# KiCad board ADC_Test.kicad_pcb (continued)
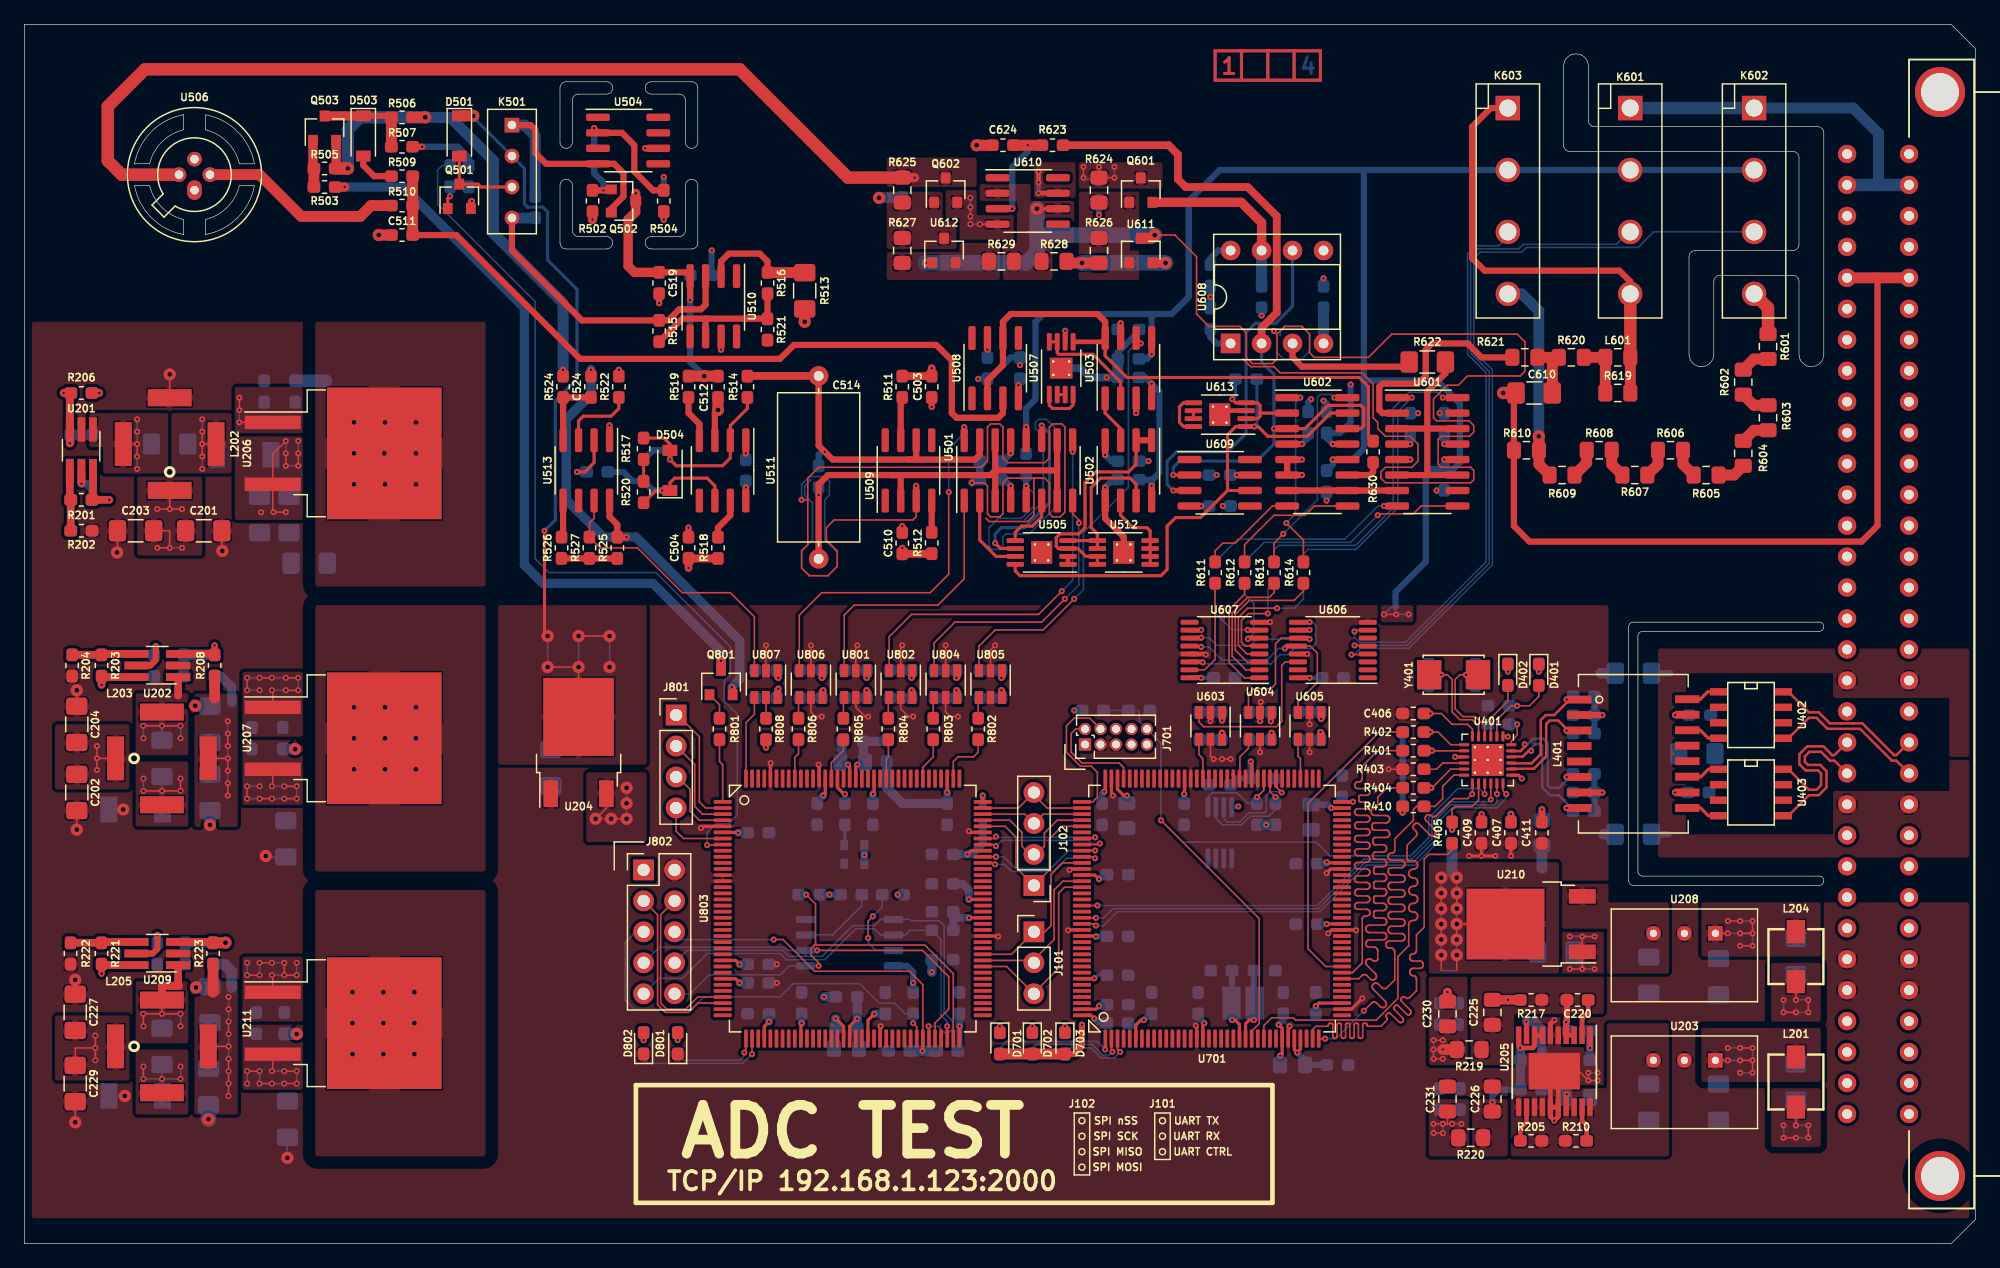
[diagram p0: board, top side]
## Routing (per net, layer and track width the routed paths; a pad name or vN(x,y) marks a point on that pad's centre or on a via; arc(x,y) is an arc through that point) (continued)
/FPGA/100MHZ: length 2.3
  Top w0.254: U803.129 66.67,37.4 67.2,36.88 v1(67.29,36.88)
  Bottom w0.254: v1(67.29,36.88) R811.1
/FPGA/AD_ID: length 1.7
  Top w0.127: R806.2 63.48,44.73 U806.4
/FPGA/AD_IIN: length 1.7
  Top w0.127: U801.4 67.16,44.73 R805.2
/FPGA/AD_IRN: length 1.7
  Top w0.127: R803.2 74.53,44.73 U804.4
/FPGA/AD_IRP: length 1.7
  Top w0.127: 70.91,44.79 70.84,44.73 R804.2
/FPGA/AD_VRH: length 1.7
  Top w0.127: U805.4 78.21,44.73 R802.2
/FPGA/ADC_COMP: length 23.8
  Top w0.127: 46.71,60.94 46.71,59.48 46.33,59.1 R527.2 47.21,57.07 50.27,57.07 53.95,53.39 57.89,53.39 59.86,51.42 U807.3
/FPGA/COMP: length 6.9
  Top w0.127: U807.4 59.86,43.42 59.17,42.73 U803.144
/FPGA/FGPA_AD_VRH: length 35.5
  Top w0.127: v1(91.54,73.83) 91.54,73.89 91.16,74.28 ; v1(86.08,52.88) 83.54,50.34 79.61,50.34 78.28,49.01 U805.3
  Bottom w0.127: v1(86.08,52.88) 86.84,53.64 86.84,58.33 90.53,62.02 90.53,73.17 91.19,73.83 v1(91.54,73.83)
/FPGA/FPGA_IO1: length 11.3
  Top w0.127: U701.117 86.74,32.24 v1(87.8,32.24) ; U803.99 79.66,31.73 v1(79.67,31.73)
  Bottom w0.127: v1(79.67,31.73) 80.3,31.73 81.26,30.78 84.18,30.78 85.64,32.24 v1(87.8,32.24)
/FPGA/FPGA_IO2: length 11.1
  Top w0.127: v1(79.59,31.11) 79.47,31.23 U803.98 ; U701.118 87.68,31.73 v1(87.8,31.61)
  Bottom w0.127: v1(79.59,31.11) 80.36,31.11 80.94,30.53 84.37,30.53 85.45,31.61 v1(87.8,31.61)
/FPGA/FPGA_IO3: length 10.4
  Top w0.127: v1(79.67,33.38) 79.51,33.23 U803.102 ; U701.115 87.71,33.23 v1(87.8,33.32)
  Bottom w0.127: v1(79.67,33.38) 79.73,33.32 v1(87.8,33.32)
/FPGA/FPGA_IO4: length 11.4
  Top w0.127: v1(79.67,32.6) 79.54,32.73 U803.101 ; v1(88.18,32.81) 88.09,32.73 U701.116
  Bottom w0.127: v1(79.67,32.6) 80.13,33.07 87.29,33.07 87.54,32.81 v1(88.18,32.81)
/FPGA/FPGA_SPI3_MISO: length 11.8
  Top w0.127: U701.112 84.7,34.73 83.64,33.67 83.64,32.59 82.97,31.92 J102.2 82.46,31.92 81.8,32.59 81.8,33.73 80.8,34.73 U803.105
/FPGA/FPGA_SPI3_MOSI: length 15.1
  Top w0.127: U803.104 80.41,34.23 81.32,33.32 81.32,30.84 J102.1 84.05,30.65 84.05,33.19 85.09,34.23 U701.113
/FPGA/FPGA_SPI3_NSS: length 9.3
  Top w0.127: U803.107 81.51,35.73 J102.4 82.78,36.81 83.87,35.73 U701.110
/FPGA/FPGA_SPI3_SCK: length 8.8
  Top w0.127: U701.111 83.55,35.23 J102.3 82.02,35.23 U803.106
/FPGA/FPGA_UART2_CTRL_TTL: length 16.3
  Top w0.127: U701.123 85.29,29.23 84.81,28.75 84.81,22.59 82.78,20.56 J101.3 80.55,22.73 U803.81
/FPGA/FPGA_UART2_RX_TTL: length 13.5
  Top w0.127: U701.122 85.16,29.73 84.43,29 84.43,24.94 82.78,23.29 J101.2 82.59,23.23 U803.82
/FPGA/FPGA_UART2_TX_TTL: length 13.7
  Top w0.127: U701.119 85.13,31.23 84.18,30.27 84.18,26.08 83.67,25.57 J101.1 80.94,23.73 U803.83
/FPGA/iCE_CDONE: length 34.6
  Top w0.127: v1(72.88,18.08) 73.17,17.78 U803.65
  Bottom w0.127: R817.2 72.23,18.86 71.35,19.73 70.09,19.73 68.5,21.32 63.04,21.32 61.95,20.24 55.73,20.24 54.71,19.22 50.02,19.22 49.25,19.98 49.25,24.68 50.14,25.57 50.78,25.57
  Bottom w0.254: R817.2 v1(72.88,18.08)
/FPGA/iCE_CRESET: length 29.8
  Top w0.127: v1(73.64,15.79) 73.67,15.83 U803.66 73.67,21.24 72.57,22.34 64.81,22.34 62.21,24.94 v1(61.44,24.94)
  Bottom w0.127: v1(61.44,24.94) 53.95,24.94 53.32,25.57
  Bottom w0.889: R815.1 R812.1
/FPGA/iCE_MISO: length 36.3
  Top w0.127: U803.67 74.17,17.8 v1(74.15,17.83)
  Bottom w0.127: J802.8 54.33,24.05 62.21,24.05 62.7,23.56 65.4,23.56 67.92,26.08 69.7,26.08 70.21,26.59 U809.5 72.62,26.59 72.75,26.46 75.03,26.46 75.41,26.08 75.41,18.95 76.11,18.25 76.11,17.61 75.81,17.32 75.41,17.32 74.91,17.83 v1(74.15,17.83)
/FPGA/iCE_MOSI: length 32.1
  Top w0.127: U803.68 74.67,18.1 75.8,19.22 75.8,21.89 73.64,24.05 v1(65,24.05)
  Bottom w0.127: J802.7 52.05,24.3 62.33,24.3 62.59,24.05 U809.2 v1(65,24.05)
/FPGA/iCE_Rx_TTL: length 14.9
  Top w0.127: U803.34 55.22,19.73 54.46,18.97 52.56,18.97 51.92,19.6 51.92,26.97 J802.3
/FPGA/iCE_SCK: length 36
  Top w0.127: v1(75.67,17.83) 75.67,17.82 U803.70
  Bottom w0.127: 50.78,20.49 52.05,21.76 53.96,21.76 55.99,23.8 61.95,23.8 62.46,23.29 65.64,23.29 68.18,25.83 69.7,25.83 70.21,25.32 U809.6 72.24,25.32 72.62,25.7 R818.2 74.65,25.46 74.65,25.45 75.16,24.94 75.16,18.72 75.67,18.21 v1(75.67,17.83)
/FPGA/iCE_SS_B: length 37.7
  Top w0.127: 64.74,24.44 64.49,24.19 64.49,23.67 65.13,23.03 v1(65.13,22.78) ; 64.74,24.44 64.79,24.49 73.83,24.49 76.17,22.15 U803.71 ; 64.74,24.44 64.87,24.57 64.87,27.86 v1(64.11,28.62)
  Bottom w0.127: v1(65.13,22.78) U809.1 62.72,22.78 61.98,22.05 56.14,22.05 54.59,20.49 53.32,20.49 ; R819.2 v1(64.11,28.62)
/FPGA/iCE_Tx_TTL: length 14.6
  Top w0.127: U803.33 55.21,20.23 54.21,19.22 52.68,19.22 52.17,19.73 52.17,26.97 J802.4
/Input/K1_CTR: length 54.7
  Top w0.127: U606.5 110.1,49.07 v1(109.07,49.07)
  Bottom w0.127: 131.68,82.98 131.55,82.98 130.53,81.96 122.91,81.96 122.53,81.58 119.1,81.58 118.6,81.07 118.6,73.05 120.12,71.53 120.12,55.8 113.39,49.07 v1(109.07,49.07)
/Input/K2_CTR: length 65.6
  Top w0.127: U606.4 110.1,48.31 v1(108.82,48.31)
  Bottom w0.127: 141.84,82.98 133.58,82.98 132.31,81.71 123.17,81.71 122.79,81.33 119.36,81.33 118.85,80.82 118.85,73.2 120.37,71.67 120.37,55.69 120.37,55.67 113.51,48.81 109.58,48.81 109.07,48.31 v1(108.82,48.31)
/Input/K4_CTR: length 45.5
  Top w0.127: v1(109.07,50.21) 109.17,50.31 U606.7
  Bottom w0.127: v1(109.07,50.21) 109.07,49.7 109.45,49.32 113.26,49.32 119.87,55.93 119.87,71.42 118.34,72.94 118.34,81.2 118.98,81.83 120.88,81.83 121.64,82.6 121.64,82.98
/Input/M1_1: length 20.7
  Top w0.127: v1(113.77,69.39) U601.1
  Bottom w0.127: R615.1 104.88,56.56 105.26,56.94 109.2,56.94 112.63,60.37 112.63,68.25 v1(113.77,69.39)
/Input/M1_2: length 26.3
  Top w0.127: v1(116.31,69.39) U601.16
  Bottom w0.127: v1(116.31,69.39) 115.87,69.83 113.56,69.83 112.25,68.52 112.25,60.35 109.16,57.26 102.85,57.26 102.47,56.88 R616.1
/Input/M1_3: length 19.4
  Top w0.127: U601.9 114.53,60.5 113.9,59.86 111.1,59.86 v1(110.97,59.74)
  Bottom w0.127: v1(110.97,59.74) 108.76,57.52 101.66,57.52 R617.1
/Input/M1_4: length 16.8
  Top w0.127: U601.8 v1(111.48,60.5)
  Bottom w0.127: R618.1 99.5,57.77 108.26,57.77 110.99,60.5 v1(111.48,60.5)
/Input/M2_1: length 15.6
  Top w0.127: v1(104.62,69.39) U602.1 ; R614.1 104.88,57.7 v1(103.48,59.1)
  Bottom w0.127: v1(103.48,59.1) 104.24,59.86 104.24,69.01 v1(104.62,69.39)
/Input/M2_2: length 17.6
  Top w0.127: v1(103.23,58.21) 102.47,57.45 R613.1 ; v1(107.42,69.39) U602.16
  Bottom w0.127: v1(107.42,69.39) 107.16,69.64 106.28,69.64 106.02,69.39 106.02,61.01 v1(103.23,58.21)
/Input/M2_3: length 11.2
  Top w0.127: R612.1 100.05,57.32 102.47,59.74 105.01,59.74 105.77,60.5 U602.9
/Input/M2_4: length 8.3
  Top w0.127: U602.8 102.34,60.5 99.29,57.45 98.28,57.45 97.64,56.81 R611.1
/Input/SR_CLK: length 3.5
  Top w0.127: U701.86 99.67,38.18 99.67,39.92 100.37,40.62 100.37,41.36
/Input/SR_DAT: length 3.4
  Top w0.127: U603.4 96.31,40.11 96.64,39.78 U701.92
/Input/SR_LAT: length 3.3
  Top w0.127: U605.4 104.44,39.98 104.64,39.79 U701.76
/MCU/EEPROM_SCL: length 9.3
  Top w0.127: U701.81 102.14,37.08 v1(102.59,36.62)
  Bottom w0.127: R702.2 102.59,35.6 102.06,35.07 100.53,35.07 99.8,34.34 98.25,34.34 97.7,34.89 U702.6
  Bottom w0.508: R702.2 v1(102.59,36.62)
/MCU/EEPROM_SDA: length 7.6
  Top w0.127: U701.82 101.64,37.19 v1(101.07,36.62)
  Bottom w0.127: R701.2 100.32,36.1 99.45,36.97 97.39,36.97 97.05,36.63 U702.5
  Bottom w0.508: R701.2 v1(101.07,36.62)
/MCU/EEPROM_WP: length 8.9
  Top w0.127: v1(103.1,37) 102.64,37.47 U701.80
  Bottom w0.127: U702.7 98.35,34.9 98.66,34.59 99.67,34.59 100.4,35.32 101.67,35.32 101.83,35.48 101.83,36.75 102.15,37.07 102.8,37.07 102.86,37 v1(103.1,37)
/MCU/MCU_VDDA: length 5.6
  Top w0.254: U701.32 104.14,15.9 v1(104.37,15.67) 104.64,15.93 U701.33
  Bottom w0.508: C720.1 FB701.1 105.01,15.02 v1(104.37,15.67)
/MCU/TCK_SWCLK: length 12.3
  Top w0.127: J701.4 87.35,43.1 86.08,43.1 85.45,42.46 85.45,40.31 86.59,39.16 87.48,39.16 87.99,38.65 87.99,36.62 87.59,36.23 U701.109
/MCU/TMS_SWDIO: length 8.6
  Top w0.127: J701.2 86.21,42.21 85.83,41.83 85.83,40.31 86.72,39.42 89.77,39.42 90.14,39.05 U701.105
Earth: length 3
  Bottom w0.508: C413.1 134.85,33.57 ; R419.1 134.98,46.78
Net-(C206-Pad1): length 8.1
  Top w0.127: v1(141.71,16.05) v1(140.69,16.05) ; U203.1 v1(139.68,15.03) ; v1(140.69,15.03) v1(141.71,15.03) v1(141.71,14.02)
  Bottom w0.127: v1(140.69,16.05) v1(139.68,16.05) ; v1(141.71,15.03) v1(141.71,16.05) ; v1(139.68,15.03) v1(140.69,15.03) ; v1(141.71,14.02) v1(140.69,14.02)
Net-(C207-Pad1): length 2.9
  Top w0.635: U201.5 v1(4.68,62.34)
  Bottom w0.635: C207.1 5.55,61.85 5.06,62.34 v1(4.68,62.34)
Net-(C208-Pad1): length 3.7
  Top w0.508: U202.5 10.33,47.42 10.77,47.86 v1(10.77,49)
  Bottom w0.508: v1(10.77,49) 10.77,48.41 C208.1
Net-(C209-Pad1): length 5.2
  Top w0.127: v1(14.58,65.58) v1(14.58,64.56) ; v1(14.58,65.58) v1(14.58,66.59) ; v1(14.58,65.58) L202.2
  Bottom w0.127: v1(14.58,64.56) v1(14.58,63.55) ; v1(14.58,66.59) v1(14.58,67.61)
Net-(C209-Pad2): length 5.2
  Top w0.127: v1(9.25,64.56) v1(9.25,65.58) L202.4
  Bottom w0.127: v1(9.25,67.61) v1(9.25,66.59) v1(9.25,65.58) ; v1(9.25,64.56) v1(9.25,63.55)
Net-(C210-Pad1): length 6.3
  Top w0.127: v3(9.76,37.13) v3(11.28,37.13) v3(12.8,37.13) v3(12.8,38.15)
  Bottom w0.127: C210.1 v3(11.28,37.13) ; v3(9.76,37.13) v3(9.76,38.15)
Net-(C210-Pad2): length 7.8
  Top w0.127: v3(12.8,42.46) v3(11.28,42.46) v3(9.76,42.46)
  Top w0.635: U202.1 12.61,44.94
  Bottom w0.127: C210.2 v3(11.28,42.46) ; v3(9.76,42.46) v3(9.76,41.45) ; v3(12.8,42.46) v3(12.8,41.45)
Net-(C211-Pad1): length 8.6
  Top w0.127: v2(48.11,34.84) v2(49.38,34.84) ; v2(46.84,34.84) 47.72,35.73 U204.3
  Top w0.381: U205.17 126.43,12.2 v1(126.47,12.24)
  Bottom w0.127: v2(49.38,34.84) v2(49.38,36.11) v2(49.38,37.38) ; v2(46.84,34.84) v2(48.11,34.84)
Net-(C214-Pad1): length 36.4
  Top w0.127: v1(21.44,59.99) v1(20.42,59.99) 20.36,60.05 U206.3 20.36,64.76 v1(21.44,65.83) ; v1(21.44,64.82) v1(21.44,63.8) ; v1(22.46,63.8) v1(22.46,64.82)
  Top w0.635: v1(6.14,69.77) R206.1
  Power w1.016: v1(20.42,59.99) v1(19.41,59.99) 17.12,59.99 15.98,61.13 15.98,68.75 14.96,69.77 v1(6.14,69.77)
  Bottom w0.127: v1(21.44,65.83) v1(21.44,64.82) ; v1(21.44,63.8) v1(22.46,63.8) ; v1(22.46,64.82) v1(22.46,65.83)
  Bottom w0.635: R206.1 v1(6.14,69.77)
Net-(C214-Pad2): length 6.1
  Top w0.635: v1(3.73,65.64) 3.73,65.64 U201.3 3.73,69.69 R206.2 v1(3.22,69.77)
  Bottom w0.635: R207.1 3.8,65.71 v1(3.73,65.64) ; v1(3.22,69.77) R206.2
Net-(C215-Pad1): length 12.6
  Top w0.127: L203.3 v1(16.68,39.8) v1(16.68,38.78) ; v1(16.68,40.81) v1(16.68,41.83) ; v1(16.68,37.77) v1(16.68,36.75) ; U207.2 v2(29.57,41.45)
  Top w0.889: R208.1 15.6,44.75
  Bottom w0.127: v1(16.68,38.78) v1(16.68,37.77) ; v1(16.68,39.8) v1(16.68,40.81) ; v1(16.68,41.83) v1(16.68,42.84)
  Bottom w0.762: 17,44.37 17,45.64 16.09,46.54 R208.1
  vias: v2(27.03,43.99) v2(27.03,41.45) v2(27.03,38.91) v2(29.57,43.99) v2(29.57,38.91) v2(32.11,43.99) v2(32.11,41.45) v2(32.11,38.91)
Net-(C215-Pad2): length 7.1
  Top w0.508: R208.2 v1(15.6,49.07)
  Top w0.635: R208.2 15.52,48.37 U202.3
  Bottom w0.508: R208.2 v1(15.6,49.07)
  Bottom w0.889: R209.1 R208.2
Net-(C220-Pad1): length 4.4
  Top w0.381: U205.3 U205.4
  Top w0.508: C220.1 126.48,18.22 v1(126.43,18.17) U205.4
  Bottom w0.508: v1(126.43,18.17) 126.43,17.63 R215.1
Net-(C220-Pad2): length 3.1
  Top w0.381: U205.2 127.73,18.45 128.23,18.95 C220.2
Net-(C221-Pad1): length 13.2
  Top w0.254: v1(122.66,16.05) 123.76,16.05 123.83,16.11 U205.8
  Top w0.381: U205.10 122.53,16.22 122.7,16.05 123.66,16.05 123.83,16.22 U205.8 U205.7
  Top w0.508: C226.1 v1(120.37,11.6)
  Bottom w0.508: v1(120.37,11.6) 120.37,12.11 120.88,12.62 R218.1
  Bottom w0.762: 122.67,16.03 C221.1 R218.1
Net-(C221-Pad2): length 5.2
  Top w0.381: v1(123.17,18.21) 123.18,18.2 U205.9
  Bottom w0.762: C221.2 124.42,17.59 123.8,18.21 v1(123.17,18.21)
Net-(C228-Pad1): length 8.1
  Top w0.127: v1(141.71,24.43) v1(140.69,24.43) ; v1(140.69,25.45) v1(141.71,25.45) v1(141.71,26.46) ; v1(140.69,26.46) v1(139.68,26.46) ; U208.1 v1(139.68,25.45)
  Bottom w0.127: v1(141.71,25.45) v1(141.71,24.43) ; v1(141.71,26.46) v1(140.69,26.46) ; v1(139.68,25.45) v1(140.69,25.45)
Net-(C235-Pad1): length 3.7
  Top w0.508: U209.5 10.52,23.8 10.9,24.18 v3(10.9,25.32)
  Bottom w0.508: v3(10.9,25.32) C235.1
Net-(C238-Pad1): length 6.3
  Top w0.127: v3(9.76,13.51) v3(9.76,14.52)
  Bottom w0.127: C238.1 v3(11.28,13.51) ; v3(11.28,13.51) v3(12.8,13.51) v3(12.8,14.52) ; v3(11.28,13.51) v3(9.76,13.51)
Net-(C238-Pad2): length 10.5
  Top w0.127: v3(11.28,18.84) v3(12.8,18.84) ; v3(11.28,18.84) v3(9.76,18.84) v3(9.76,17.83) ; v3(11.28,18.84) L205.4
  Top w0.635: U209.1 12.61,21.2 12.68,21.13 11.28,21.13 L205.4
  Bottom w0.127: v3(12.8,18.84) v3(12.8,17.83)
Net-(C242-Pad1): length 15.3
  Top w0.127: L205.3 v3(16.74,16.17) ; v3(16.74,12.11) v3(16.74,13.13) v3(16.74,14.14) v3(16.74,15.16) ; v3(16.74,17.19) v3(16.74,18.21) ; U211.2 v2(29.44,18.08)
  Top w0.889: R223.1 15.47,20.62
  Bottom w0.127: v3(16.74,15.16) v3(16.74,16.17) v3(16.74,17.19) ; v3(16.74,18.21) v3(16.74,19.22) v3(16.74,20.24)
  Bottom w0.889: 17,21 17,22.33 16.4,22.92 R223.1
  vias: v2(26.9,20.62) v2(26.9,18.08) v2(26.9,15.54) v2(29.44,20.62) v2(29.44,15.54) v2(31.98,20.62) v2(31.98,18.08) v2(31.98,15.54)
Net-(C242-Pad2): length 7.2
  Top w0.635: R223.2 15.4,24.75 U209.3
  Top w0.889: v2(16.49,24.68) 16.47,24.67 R223.2
  Bottom w0.762: R224.1 R223.2
  Bottom w0.889: R223.2 15.48,24.68 v2(16.49,24.68)
Net-(C401-Pad1): length 9.9
  Top w0.127: v1(116.18,46.66) 116.69,46.66 117.07,46.27 117.07,43.61 117.71,42.97 118.72,42.97 119.24,42.45 U401.5
  Top w0.508: Y401.2 v1(116.18,46.66)
  Bottom w0.127: v1(116.18,46.66) 116.18,46.15 115.81,45.78 C401.1
Net-(C403-Pad1): length 6.1
  Top w0.127: U401.6 118.74,42.19 118.34,42.59 117.07,42.59 116.18,43.48 C406.1
  Top w0.508: v1(115.29,43.48) C406.1
  Bottom w0.508: C406.1 v1(115.29,43.48)
Net-(C404-Pad1): length 9.7
  Top w0.127: v1(118.21,46.66) 117.71,46.66 117.32,46.27 117.32,43.86 117.96,43.23 118.98,43.23 119.74,42.46 U401.4
  Top w0.508: Y401.1 v1(118.21,46.66)
  Bottom w0.127: v1(118.21,46.66) 118.21,46.15 118.58,45.78 C404.1
Net-(C501-Pad2): length 3.4
  Top w0.254: v1(34.9,85.9) 34.71,85.71 Q501.1
  Bottom w0.254: C501.2 R501.1 v1(34.9,85.9)
Net-(C511-Pad1): length 64.3
  Top w0.508: U508.3 80.24,68.12 79.86,67.74 76.43,67.74 76.05,68.12 76.05,72.44 74.78,73.71 63.1,73.71 61.95,72.56 45.57,72.56 35.41,82.72 C511.1
  Top w0.889: C511.1 R509.1
Net-(C514-Pad1): length 30.3
  Top w0.508: 72.52,64.31 77.96,64.31 78.34,64.69 U501.15 ; 72.52,64.31 73.13,64.31 U509.6 ; 72.52,64.31 66.27,64.31 v1(65.64,64.94) 65.13,65.45 C514.1
  Top w0.635: R514.2 59.3,71.17 C514.1
  Bottom w0.508: v1(65.64,64.94) 65.38,64.94 65.13,64.69 C515.1
Net-(C514-Pad2): length 44.6
  Top w0.254: U501.7 U501.10
  Top w0.508: 71.1,63.03 79.22,63.03 79.61,63.42 ; 71.1,63.03 71.1,63.04 65.89,63.04 65.13,62.28 v1(65.13,61.39) C514.2 ; 71.1,63.03 71.86,63.03 71.86,63.03 U509.2 ; 79.61,63.42 84.56,63.42 84.69,63.55 ; 79.61,63.42 U501.14 ; 79.61,63.42 U501.3 ; U501.7 84.69,63.55 ; 84.69,63.55 U501.10
  Bottom w0.508: v1(65.13,61.39) C515.2
Net-(C521-Pad1): length 14.9
  Top w0.254: R520.1 51.78,61.77 D504.1 52.94,62.4 53.32,62.78 55.98,62.78 56.62,62.15 U511.6
  Top w0.508: D504.1 v1(52.3,61.77)
  Bottom w0.508: D504.1 v1(52.3,61.77) 51.54,61.77 50.78,62.53 C521.1 49.87,62.54 49.13,63.29 R523.2
Net-(C521-Pad2): length 17.8
  Top w0.254: R514.1 59.29,68.5 57.89,67.1 57.89,64.44 57.25,63.8 53.44,63.8 v1(52.94,64.31) D504.2 52.94,65.58 52.44,66.07 R517.2
  Bottom w0.508: v1(52.94,64.31) D504.2 51.55,65.07 C521.2
Net-(C522-Pad1): length 1.6
  Top w0.508: v1(59.16,64.82) U511.1
  Bottom w0.508: C522.1 v1(59.16,64.82)
Net-(C522-Pad2): length 1.6
  Top w0.508: U511.8 v1(59.16,62.02)
  Bottom w0.508: C522.2 v1(59.16,62.02)
Net-(C524-Pad2): length 5.8
  Top w0.508: U513.4 R524.1 C524.2
Net-(C610-Pad2): length 7.9
  Top w0.508: R620.1 125.29,72.15 C610.2
  Top w0.889: 125.2,72.69 R621.2 ; 125.2,72.69 R620.1 ; 125.2,72.69 125.29,72.6 C610.2
Net-(C617-Pad1): length 2.4
  Bottom w0.508: U608.8 97.89,81.45 97.26,80.82 C617.1
Net-(C620-Pad1): length 2.5
  Bottom w0.508: C620.1 97.26,74.34 97.77,73.83 U608.1
Net-(C624-Pad1): length 9.3
  Top w0.508: U610.3 v3(81,84.88)
  Top w0.889: R623.1 v1(82.27,90.09) C624.1
  Bottom w0.508: v1(82.27,90.09) 82.27,89.58 81,88.31 v3(81,84.88)
Net-(C625-Pad1): length 8.6
  Top w0.254: 101.32,68.12 101.32,68.75 101.11,68.97 U613.4 99.33,68.97 v1(99.04,69.26) ; 101.32,68.12 U602.2 ; 101.32,68.12 101.32,67.86 101.12,67.67 U613.2
  Bottom w0.254: C625.1 99.31,69.53 v1(99.04,69.26)
Net-(C704-Pad1): length 6
  Top w0.254: U701.23 99.64,17.99 99.29,18.33 v1(99.04,18.33)
  Bottom w0.508: C704.1 99.02,19.78 Y701.1 98.98,18.4 v1(99.04,18.33)
Net-(C706-Pad1): length 6.1
  Top w0.254: v1(100.81,18.33) 100.43,18.33 100.14,18.04 U701.24
  Bottom w0.508: C706.1 100.83,19.78 Y701.2 100.88,18.39 v1(100.81,18.33)
Net-(C707-Pad1): length 2.6
  Top w0.254: v1(107.16,35.73) 107.17,35.73 U701.71
  Bottom w0.508: v1(107.16,35.73) 106.9,36 C707.1
Net-(C709-Pad1): length 2.5
  Top w0.254: U701.106 89.64,37.26 90.15,36.75 v1(90.4,36.75)
  Bottom w0.254: C709.1 v1(90.4,36.75)
Net-(D401-Pad1): length 1.2
  Top w0.127: v1(124.18,46.91) D401.1
  Bottom w0.127: D401.1 v1(124.18,46.91)
Net-(D401-Pad2): length 7.1
  Top w0.127: U401.2 120.74,42.96 121.9,44.11 v1(122.41,44.11) 123.42,44.11 124.18,44.88 D401.2
  Bottom w0.127: R411.1 v1(122.41,44.11)
Net-(D402-Pad1): length 1.2
  Top w0.127: v1(121.64,46.91) D402.1
  Bottom w0.127: D402.1 v1(121.64,46.91)
Net-(D402-Pad2): length 4.8
  Top w0.127: U401.3 120.24,43.09 121.64,44.5 D402.2
Net-(D501-Pad2): length 6.7
  Top w0.254: K501.3 37.44,86.66 37.2,86.9 Q501.3 D501.2
Net-(D502-Pad1): length 10.7
  Top w0.508: v1(46.71,91.49) 46.71,91.42 U504.2 49,91.1 50.02,90.09 50.02,87.93 51.55,86.39 R504.2
  Bottom w0.508: D502.1 v1(46.71,91.49)
Net-(D502-Pad2): length 4
  Top w0.508: Q502.1 48.05,86.39 v1(47.49,86.39) R502.1
  Bottom w0.508: D502.2 46.71,87.8 47.49,87.03 v1(47.49,86.39)
Net-(D503-Pad1): length 7.9
  Top w0.508: D503.1 29.96,92.5 R506.2
  Top w0.762: D503.1 27.78,92.49 Q503.3
  Top w0.889: R507.1 R506.2
Net-(D503-Pad2): length 3.4
  Top w0.508: D503.2 27.79,88.44 28.68,87.55 R509.2
Net-(D701-Pad1): length 1
  Top w0.254: D701.1 v1(79.99,17.83)
  Bottom w0.254: D701.1 v1(79.99,17.83)
Net-(D702-Pad1): length 1
  Top w0.254: D702.1 v1(82.65,17.83)
  Bottom w0.254: D702.1 v1(82.65,17.83)
Net-(D703-Pad1): length 1
  Top w0.254: D703.1 v1(85.32,17.83)
  Bottom w0.254: D703.1 v1(85.32,17.83)
Net-(D801-Pad2): length 1.2
  Top w0.254: D801.2 v1(53.57,16.68)
  Bottom w0.254: v1(53.57,16.68) D801.2
Net-(D802-Pad2): length 1.2
  Top w0.254: v1(50.78,16.68) D802.2
  Bottom w0.254: D802.2 v1(50.78,16.68)
Net-(D803-Pad1): length 1.3
  Top w0.254: U803.108 78.58,36.74 v1(78.59,36.75)
  Bottom w0.508: D803.1 v1(78.59,36.75)
Net-(J801-Pad1): length 10.1
  Top w0.127: U803.2 55.86,35.73 55.35,36.24 55.35,41.58 53.57,43.35 J801.1
Net-(J801-Pad2): length 8.1
  Top w0.127: U803.3 55.6,35.23 54.97,35.86 54.97,39.29 J801.2
Net-(J801-Pad3): length 6.3
  Top w0.127: U803.4 55.34,34.73 54.59,35.48 54.59,37.26 53.57,38.27 J801.3
Net-(J801-Pad4): length 6
  Top w0.127: J801.4 53.44,33.83 54.04,33.23 U803.7
Net-(K501-Pad1): length 22.8
  Top w0.508: Q502.2 48.13,84.9 49.13,85.9 49.13,87.8 48.36,88.56 U504.4 42.78,88.56 41.89,89.45 41.89,91.36 41.51,91.74 K501.1
  Bottom w0.889: K501.1 41,91.74 41.89,90.85 R508.2
Net-(K501-Pad4): length 68.6
  Top w0.508: U510.3 55.86,77.01 55.48,76.63 53.7,76.63 52.8,75.72 R515.2 45.71,75.72 39.98,81.45 K501.4
  Top w0.889: U506.2 19.28,87.68 22.71,84.25 27.54,84.25 28.42,85.14 R510.2
  Ground w0.889: K501.4 39.86,84.25 22.71,84.25 19.28,87.68 U506.2
  Bottom w0.889: K501.4 41.87,84.12 R508.1
Net-(K601-Pad4): length 37.2
  Top w0.508: 131.68,77.9 131.68,78.91 130.79,79.8 119.74,79.8 118.72,80.82 118.72,91.61 120.25,93.14 K603.1
  Top w0.889: L601.1 R619.2
  Top w1.016: L601.1 131.69,77.89 131.68,77.9
Net-(K602-Pad4): length 3.8
  Top w1.016: 141.84,77.9 142.98,76.75 R601.2
Net-(K603-Pad4): length 16.9
  Top w0.889: v2(124.18,66.21) 124.19,66.2 R610.1 124.19,63.91 R609.1
  Bottom w0.889: v2(124.18,66.21) 124.18,76.5 122.79,77.9 121.64,77.9
Net-(L401-Pad9): length 2.8
  Top w0.254: L401.9 137.45,35.73 138.09,35.1 U403.4
Net-(L401-Pad10): length 2
  Top w0.508: v1(135.36,37) L401.10
  Bottom w0.508: R420.1 v1(135.36,37)
Net-(L401-Pad11): length 2.8
  Top w0.254: L401.11 137.48,38.3 138.09,38.91 U403.1
Net-(L401-Pad14): length 2.8
  Top w0.254: L401.14 137.43,42.11 138.09,41.45 U402.4
Net-(L401-Pad15): length 2.2
  Top w0.508: v1(135.36,43.35) 136.33,43.35 L401.15
  Bottom w0.508: R421.1 v1(135.36,43.35)
Net-(L401-Pad16): length 2.8
  Top w0.254: U402.1 138.03,45.26 137.42,44.65 L401.16
Net-(L601-Pad2): length 4.7
  Top w0.889: R620.2 L601.2 R619.1
Net-(Q503-Pad1): length 3.9
  Top w0.762: Q503.1 23.67,88.26 R505.1
  Top w0.889: R503.1 R505.1
Net-(Q801-Pad1): length 2.3
  Top w0.127: Q801.1 57,44.2 R801.1
Net-(R201-Pad2): length 4.9
  Top w0.635: U201.4 3.73,61.08 R201.2 R202.1